# Altium PCB 非自锁降压电源模块.PcbDoc
Units mil, origin at the board's own origin, x right, y up, seen from the top; angles counter-clockwise.
Board outline 1210 x 1210 mil, 2 copper layers (Top Layer, Bottom Layer); 19 components, 12 nets, 52 pads, 10 vias.
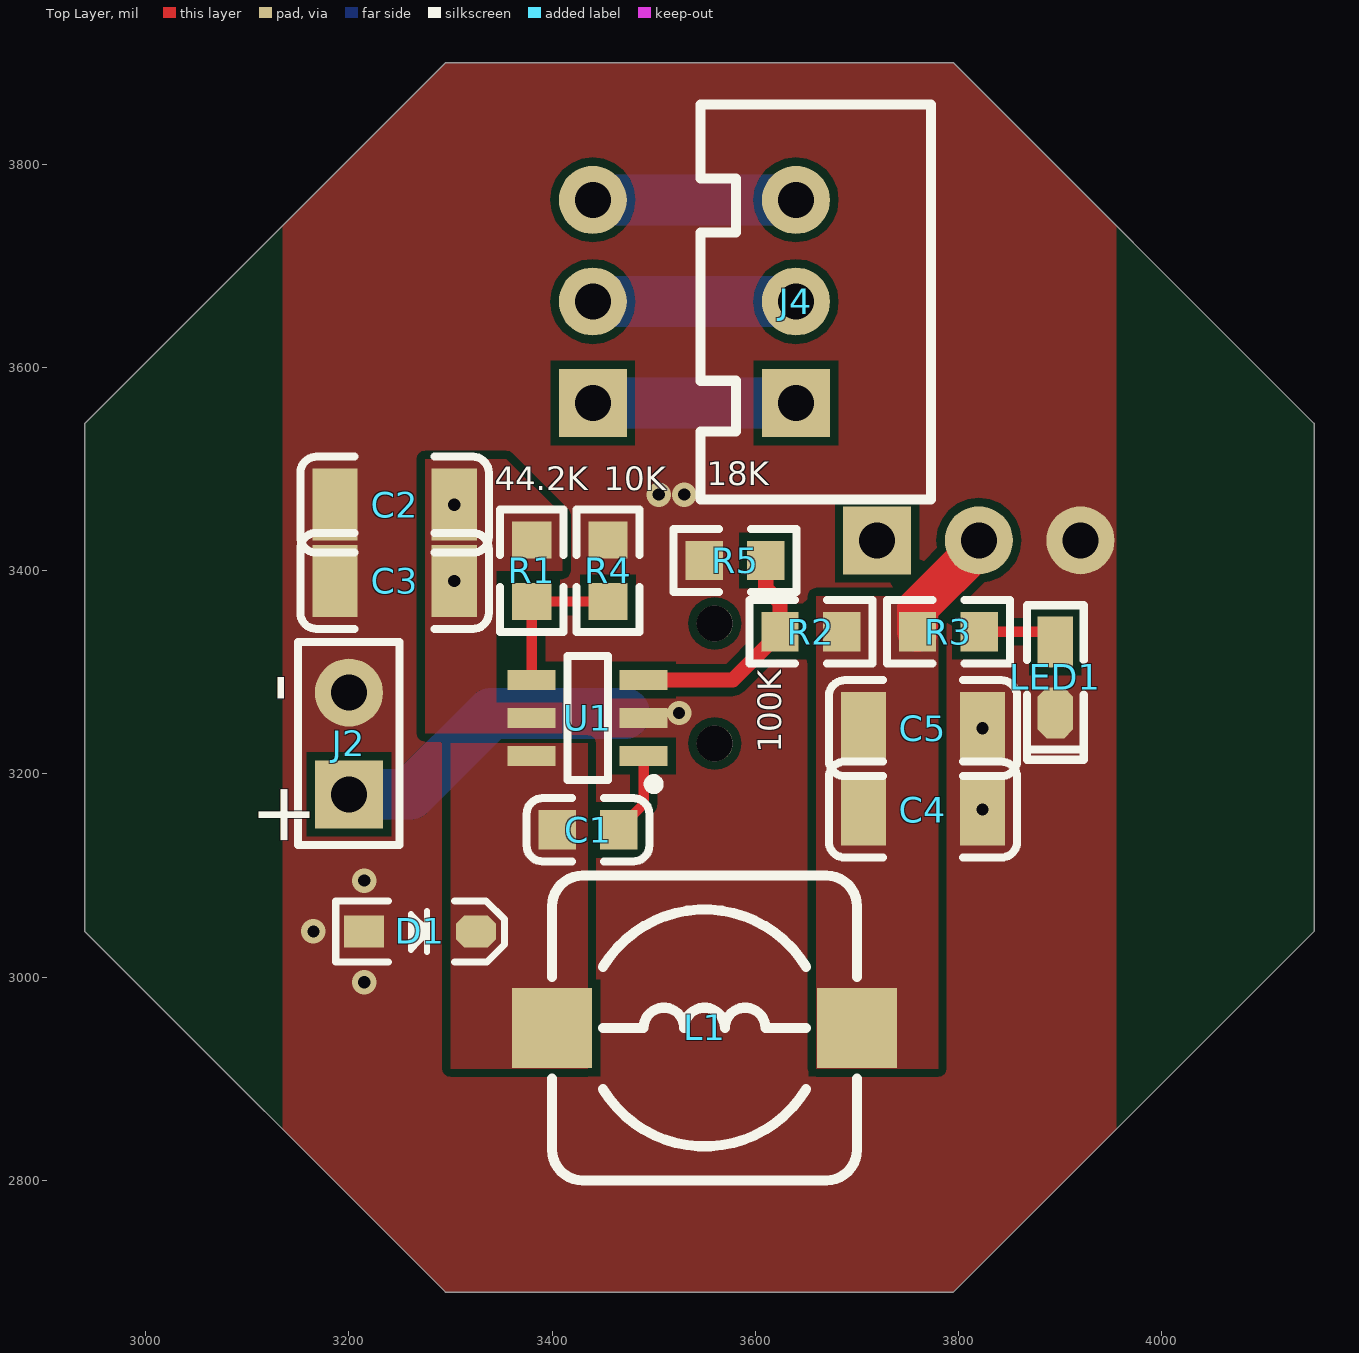
[diagram p0: Top Layer view]
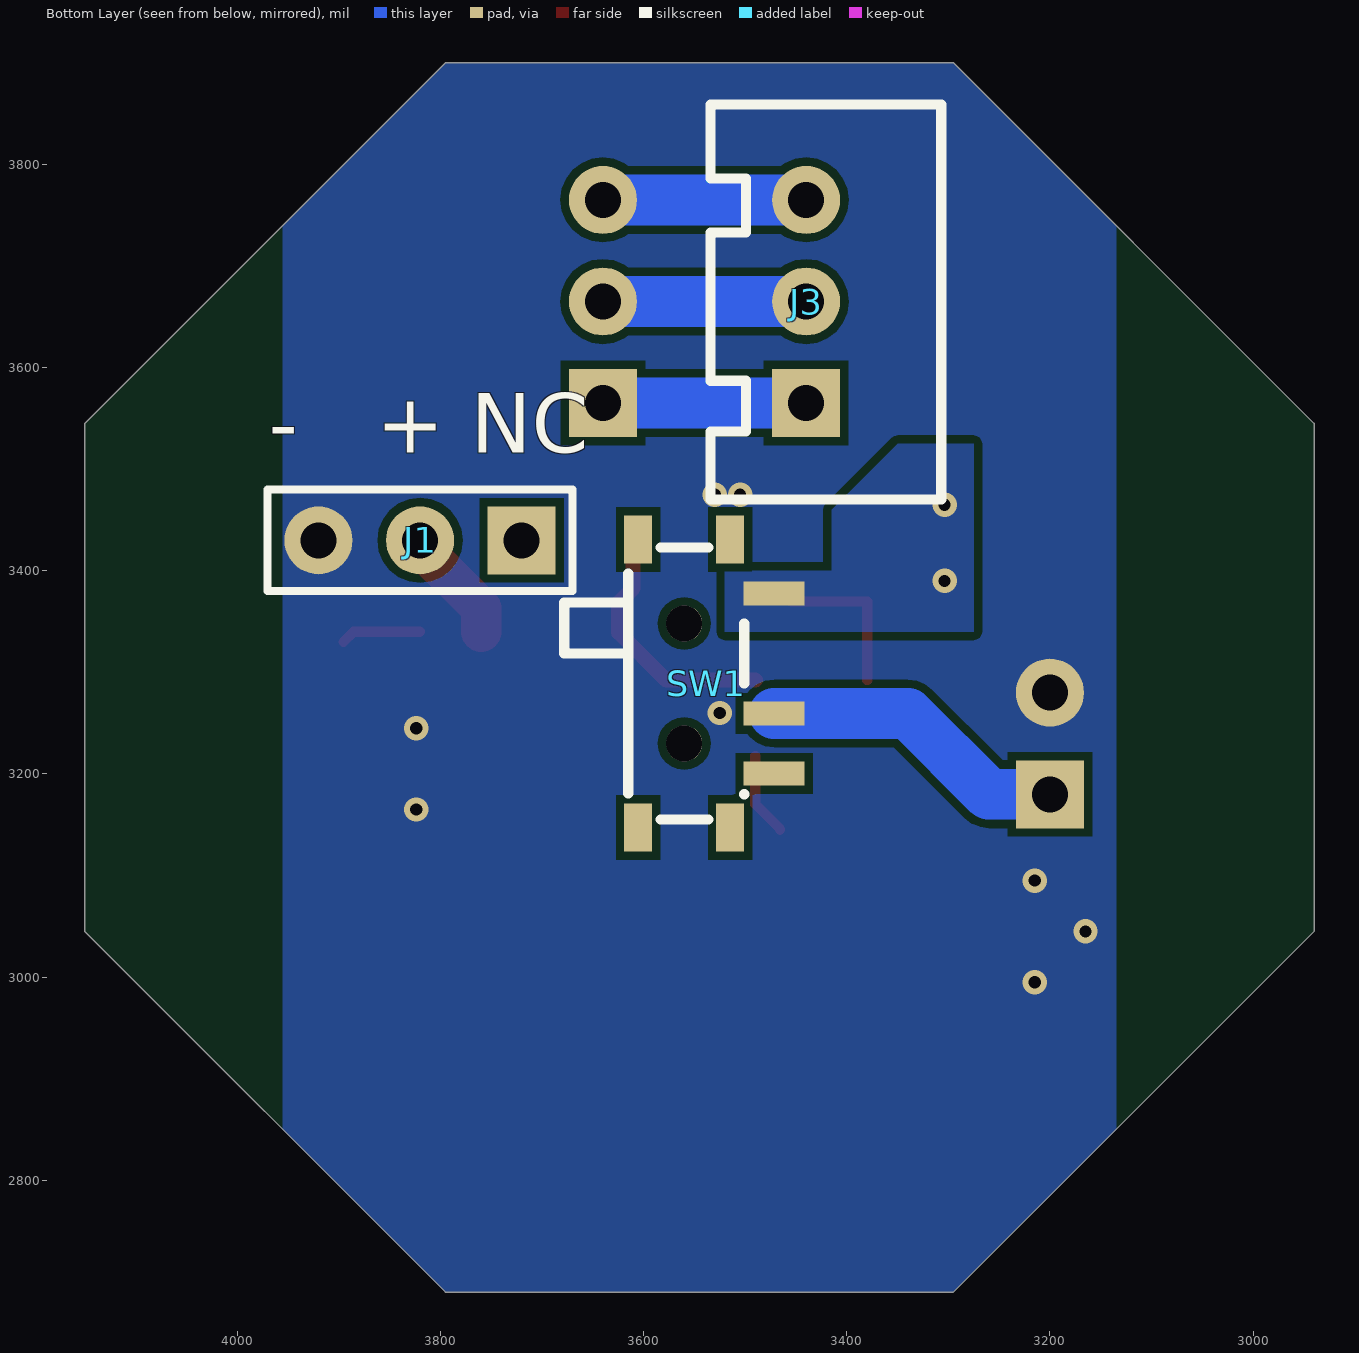
[diagram p1: Bottom Layer view, seen from below]

## Layer stack, top to bottom
Top Solder: solder mask 0.4, Solder Resist, Dk 3.5
Top Layer: signal copper 1.4
Dielectric 1: dielectric 12.6, FR-4, Dk 4.8
Bottom Layer: signal copper 1.4
Bottom Solder: solder mask 0.4, Solder Resist, Dk 3.5

## Board outline
2940,3045 2940,3545 3295,3900 3795,3900 4150,3545 4150,3045 3795,2690 3295,2690

## Design rules (kind name [scope] priority, off if disabled: settings)
Clearance [All] p1: gap=8 ignorepadtopadclearanceinfootprint=FALSE
PolygonConnect [All] p1: connectstyle=Direct reliefconductorwidth=10 reliefentries=4 polygonreliefangle="90 Angle" airgapwidth=10
RoomDefinition LMR12006 [InComponentClass('LMR12006')] p1: confinementstyle=ConfineIn formatcopy=TRUE lockcomponents=FALSE outline 0,0 2000,0 2000,1000 0,1000
RoutingVias [All] p1: holewidth=28 width=50 viastyle="Through Hole" minholewidth=28 minwidth=50 maxholewidth=28 maxwidth=50
SolderMaskExpansion [All] p1: expansion=4 istentingtop=FALSE
Width [All] p1: maxlimit=100 minlimit=10 preferedwidth=10
30 further rules are at their usual default settings.

## Components (designator, comment, footprint, x,y, rotation, side; value= is the part's Value field where it differs from the comment)
C1 "100nF" "C 0603" 3435,3145 r180 top
C2 "10uF" "C 1206" 3245,3465 r180 top
C3 "10uF" "C 1206" 3245,3390 r180 top
C4 "?F" "C 1206" 3765,3165 r180 top
C5 "?F" "C 1206" 3765,3245 r180 top
D1 "BAT760" SOD-323 3270,3045 r0 top
J1 "HDR  1X3" "HDR2.54 D-L-F-1X3P" 3720,3430 r0 bottom
J2 "HDR  1X2" "HDR2.54 D-L-F-1X2P" 3200,3180 r90 top
J3 "XH 3P" XH2.54-3P 3440,3565 r90 bottom
J4 "XH 3P" XH2.54-3P 3640,3565 r90 top
L1 "?H" "SMD 7*7*4" 3550,2950 r0 top
LED1 "LED 绿灯" "LED 0603-G" 3895,3295 r270 top
R1 "44.2K" "R 0603" 3380,3400 r90 top
R2 "100K" "R 0603" 3654.68,3340 r0 top
R3 "RES" "R 0603" 3790,3340 r180 top
R4 "10K" "R 0603" 3455,3400 r270 top
R5 "18K" "R 0603" 3580,3410 r0 top
SW1 "MSK12C02" *SW-TH_MSK12C02 3538.34,3289.06 r270 bottom
U1 "LMR16006XDDCR" SOT23-6 3435,3255 r90 top

## Footprints (in the part's own frame and the unit in brackets; to place one, negate y for a bottom-side part, rotate by r counter-clockwise, add the part's x,y. Pads: shape width x height; smd on the part's side, far side on the other; paste and mask are expansions set on the pad)
*SW-TH_MSK12C02 [mm]
  rect 1.2x0.7 smd: 0(-3.6,-1.7) 0(-3.6,0.6) 0(3.6,-1.7) 0(3.6,0.6)
  rect 0.6x1.524 smd: 1(-2.25,1.7) 2(0.75,1.7) 3(2.25,1.7)
  round 0.9 hole 0.9 unplated: ""(-1.5,-0.55) ""(1.5,-0.55)
  silkscreen extent -3.4,-3.55 3.4,0.95
"C 0603" [mm] "无极性贴片电容"
  rect 0.93x0.98 smd: 1(-0.778,0) 2(0.762,0)
  silkscreen extent -1.54,-0.79 1.53,0.79, body extent -0.81,-0.4 0.79,0.4, height 0.3
"C 1206" [mm] "无极性贴片电容"
  rect 1.13x1.8 smd: 1(-1.49,0) 2(1.49,0)
  silkscreen extent -2.36,-1.2 2.35,1.2, body extent -1.6,-0.81 1.6,0.79, height 1
"HDR2.54 D-L-F-1X2P" [mm] "排针，2脚"
  rect 1.7x1.7 hole 0.9: 1(0,0)
  round 1.7 hole 0.9: 2(2.54,0)
  silkscreen extent -1.27,-1.27 3.81,1.27, body extent -1.27,-1.27 3.81,1.27, height 8.5
"HDR2.54 D-L-F-1X3P" [mm] "排针，3脚"
  rect 1.7x1.7 hole 0.9: 1(0,0)
  round 1.7 hole 0.9: 2(2.54,0) 3(5.08,0)
  silkscreen extent -1.27,-1.27 6.35,1.27, body extent -1.27,-1.27 6.35,1.27, height 8.5
"LED 0603-G" [mil] "绿色0603LED"
  rect 50x35 smd: 1(-35,0.26)
  oct 50x35 smd: 2(35,0.26)
  silkscreen extent -71,-28 81,28, body extent -31,-16 32,16, height 24
"R 0603" [mm] "1/10W贴片电阻"
  rect 0.93x0.98 smd: 1(-0.77,0) 2(0.77,0)
  silkscreen extent -1.53,-0.79 1.54,0.79, body extent -0.85,-0.4 0.85,0.4, height 0.56
"SMD 7*7*4" [mm] "7.3*7.3*4.5mm（长宽高）"
  rect 2x2 smd: 1(-3.81,0) 2(3.81,0)
  silkscreen extent -3.81,-3.81 3.81,3.81, body extent -3.65,-3.65 3.65,3.65, height 4.5
SOD-323 [mm] "1.8x1.3X0.9mm（长宽高，不包括引脚）"
  rect 1x0.8 smd: 1(-1.4,0)
  oct 1x0.8 smd: 2(1.4,0)
  silkscreen extent -2.11,-0.76 2.11,0.76, body extent -1.34,-0.63 1.31,0.67, height 1
SOT23-6 [mm] "3x1.6x1.1mm(长宽高)"
  rect 0.5x1.2 smd: 1(-0.95,-1.4) 2(0,-1.4) 3(0.95,-1.4) 4(0.95,1.4) 5(0,1.4) 6(-0.95,1.4)
  silkscreen extent -1.78,-1.78 1.55,0.51, body extent -1.5,-1.4 1.5,1.4, height 1.15
XH2.54-3P [mm] "接插件，3P"
  rect 1.7x1.7 hole 0.9: 1(0,0)
  round 1.7 hole 0.9: 2(2.54,0) 3(5.08,0)
  silkscreen extent -2.41,-3.38 7.47,2.39, body extent -2.5,-3.3 7.58,2.4, height 7.03

## Part data
C1 C2 C3 C4 C5: library part CAP, "Capacitor"
D1: "肖特基二极管"
J1 J2 J3 J4: "Connector"
L1: library part Inductor, "Inductor", Code_IEC=1005, Code_JEITA=0402, LatestRevisionDate=17-Jul-2002, LatestRevisionNote="Re-released for DXP Platform.", PackageReference=0402-A, Published=8-Jun-2000, Publisher="Altium Limited"
LED1: "LED"
R1 R2 R4 R5: library part RES, "Resistor"
R3: "Resistor"
SW1: "开关", BOM_JLCPCB Part Class="Extended Part", BOM_Manufacturer="SHOU HAN", BOM_Manufacturer Part=MSK12C02, BOM_Supplier=LCSC, BOM_Supplier Part=C431540, Contributor=LCSC, spicePre=S, spiceSymbolName=MSK12C02
U1: "DC-DC降压模块", BOM_JLCPCB Part Class="Extended Part", BOM_Manufacturer=TI, BOM_Manufacturer Part=LMR16006XDDCR, BOM_Supplier=LCSC, BOM_Supplier Part=C87080, spicePre=U, spiceSymbolName=LMR16006XDDCR

## Via types
v1: diameter 24, hole 12, Top Layer to Bottom Layer, 10 vias

## Nets (pads, with @x,y where several pads share a name; then routed paths per layer and width w, separated by ;. In a path a pad name is that pad's centre, name@x,y a point inside that pad or via, vN(x,y) a via of type N, cw(c..) or ccw(c..) an arc to the next point about the centre after c; other vN are vias at no path point)
GND: C2.2 C3.2 C4.1 C5.1 D1.1 J1.3 J2.2 LED1.2 R4.1 R5.1 U1.2
  other v1: 3215,2995 3165,3045 3215,3095 3823.66,3165 3823.66,3245 3525,3260 3505,3475 3530,3475
NetC1_1: C1.1 U1.1 | length 82.7
  Top Layer w10: C1.1 3465.63,3145.98 3490.12,3170.47 U1.1
NetC1_2: C1.2 D1.2 L1.1 U1.6
NetC2_1: C2.1 C3.1 R1.2 SW1.1 U1.5
  other v1: 3303.66,3390 3303.66,3465
NetJ3_1: J3.1 J4.1 | length 200
  Bottom Layer w50: J3.1 J4.1
NetJ3_2: J3.2 J4.2 | length 200
  Bottom Layer w50: J3.2 J4.2
NetJ3_3: J3.3 J4.3 | length 200
  Bottom Layer w50: J3.3 J4.3
NetLED1_1: LED1.1 R3.1 | length 79.1
  Top Layer w10: R3.1 3885.25,3340 LED1.1
NetR1_1: R1.1 R4.2 U1.4 | length 152.3
  Top Layer w10: U1.4 3379.88,3369.57 R1.1 R4.2
NetR2_1: R2.1 R5.2 U1.3 | length 230.4
  Top Layer w15: U1.3 3577.76,3292.4 3624.37,3339.02 R2.1 3624.37,3368.62 3610.32,3382.68 R5.2
VCC: J2.1 SW1.2 | length 304.4
  Bottom Layer w50: J2.1 3260.24,3180 3339.77,3259.53 SW1.2
VOUT: C4.2 C5.2 J1.2 L1.2 R2.2 R3.2 | length 115
  Top Layer w40: R3.2 3759.68,3363.16 3820,3423.47 J1.2
pads on no net: J1.1 SW1. SW1.0 SW1.3

## Polygon pours and split planes (outlines as drawn)
GND on Bottom Layer "GND_L02_P007" (solid, pour order 7): 2940,3045 2940,3545 3295,3900 3795,3900 4150,3545 4150,3045 3795,2690 3295,2690
NetC2_1 on Bottom Layer "NONET_L-01_P-001" (solid, pour order 0): 3520,3340 3520,3400 3415,3400 3415,3460 3350,3525 3275,3525 3275,3340 3435,3340
GND on Top Layer "GND_L01_P006" (solid, pour order 6): 2940,3045 2940,3545 3295,3900 3795,3900 4150,3545 4150,3045 3795,2690 3295,2690
VOUT on Top Layer "NONET_L-01_P-001" (solid, pour order 5): 3660,3375 3660,2910 3780,2910 3780,3375
NetC1_2 on Top Layer "NONET_L-01_P-001" (solid, pour order 4): 3435,3230 3435,2910 3300,2910 3300,3230
NetC2_1 on Top Layer "NONET_L-01_P-001" (solid, pour order 1): 3410,3400 3345,3400 3345,3270 3410,3270 3410,3240 3275,3240 3275,3510 3355,3510 3410,3455

## Other copper
Multi-Layer:
  pour cut-out: 2945,2785 2945,3785 3135,3785 3135,2785
  pour cut-out: 4145,3805 4145,2805 3955,2805 3955,3805

## Silkscreen, mask and mechanical layers (free items; w line width, h text height)
Top Overlay:
  text "18K" at 3552,3476.33 h40
  text "44.2K" at 3343.72,3471.37 h40
  text "10K" at 3451,3471.37 h40
  text "-   +" at 3091.93,3298.91 h100 r270
  text "100K" at 3633.63,3221 h40 r90
Bottom Overlay:
  text "-   + NC" at 3968.91,3496.93 h100
Mechanical 1:
  lines w10: 2940,3045 2940,3295 2940,3545 3295,3900 3545,3900 3795,3900 4150,3545 4150,3295 4150,3045 3795,2690 3545,2690 3295,2690 2940,3045